# Altium PCB PCB1.PcbDoc
Units mm, origin at the board's own origin, x right, y up, seen from the top; angles counter-clockwise.
Board outline 51 x 87.16 mm, 2 copper layers (Top Layer, Bottom Layer); 191 components, 0 nets, 882 pads, 0 vias.
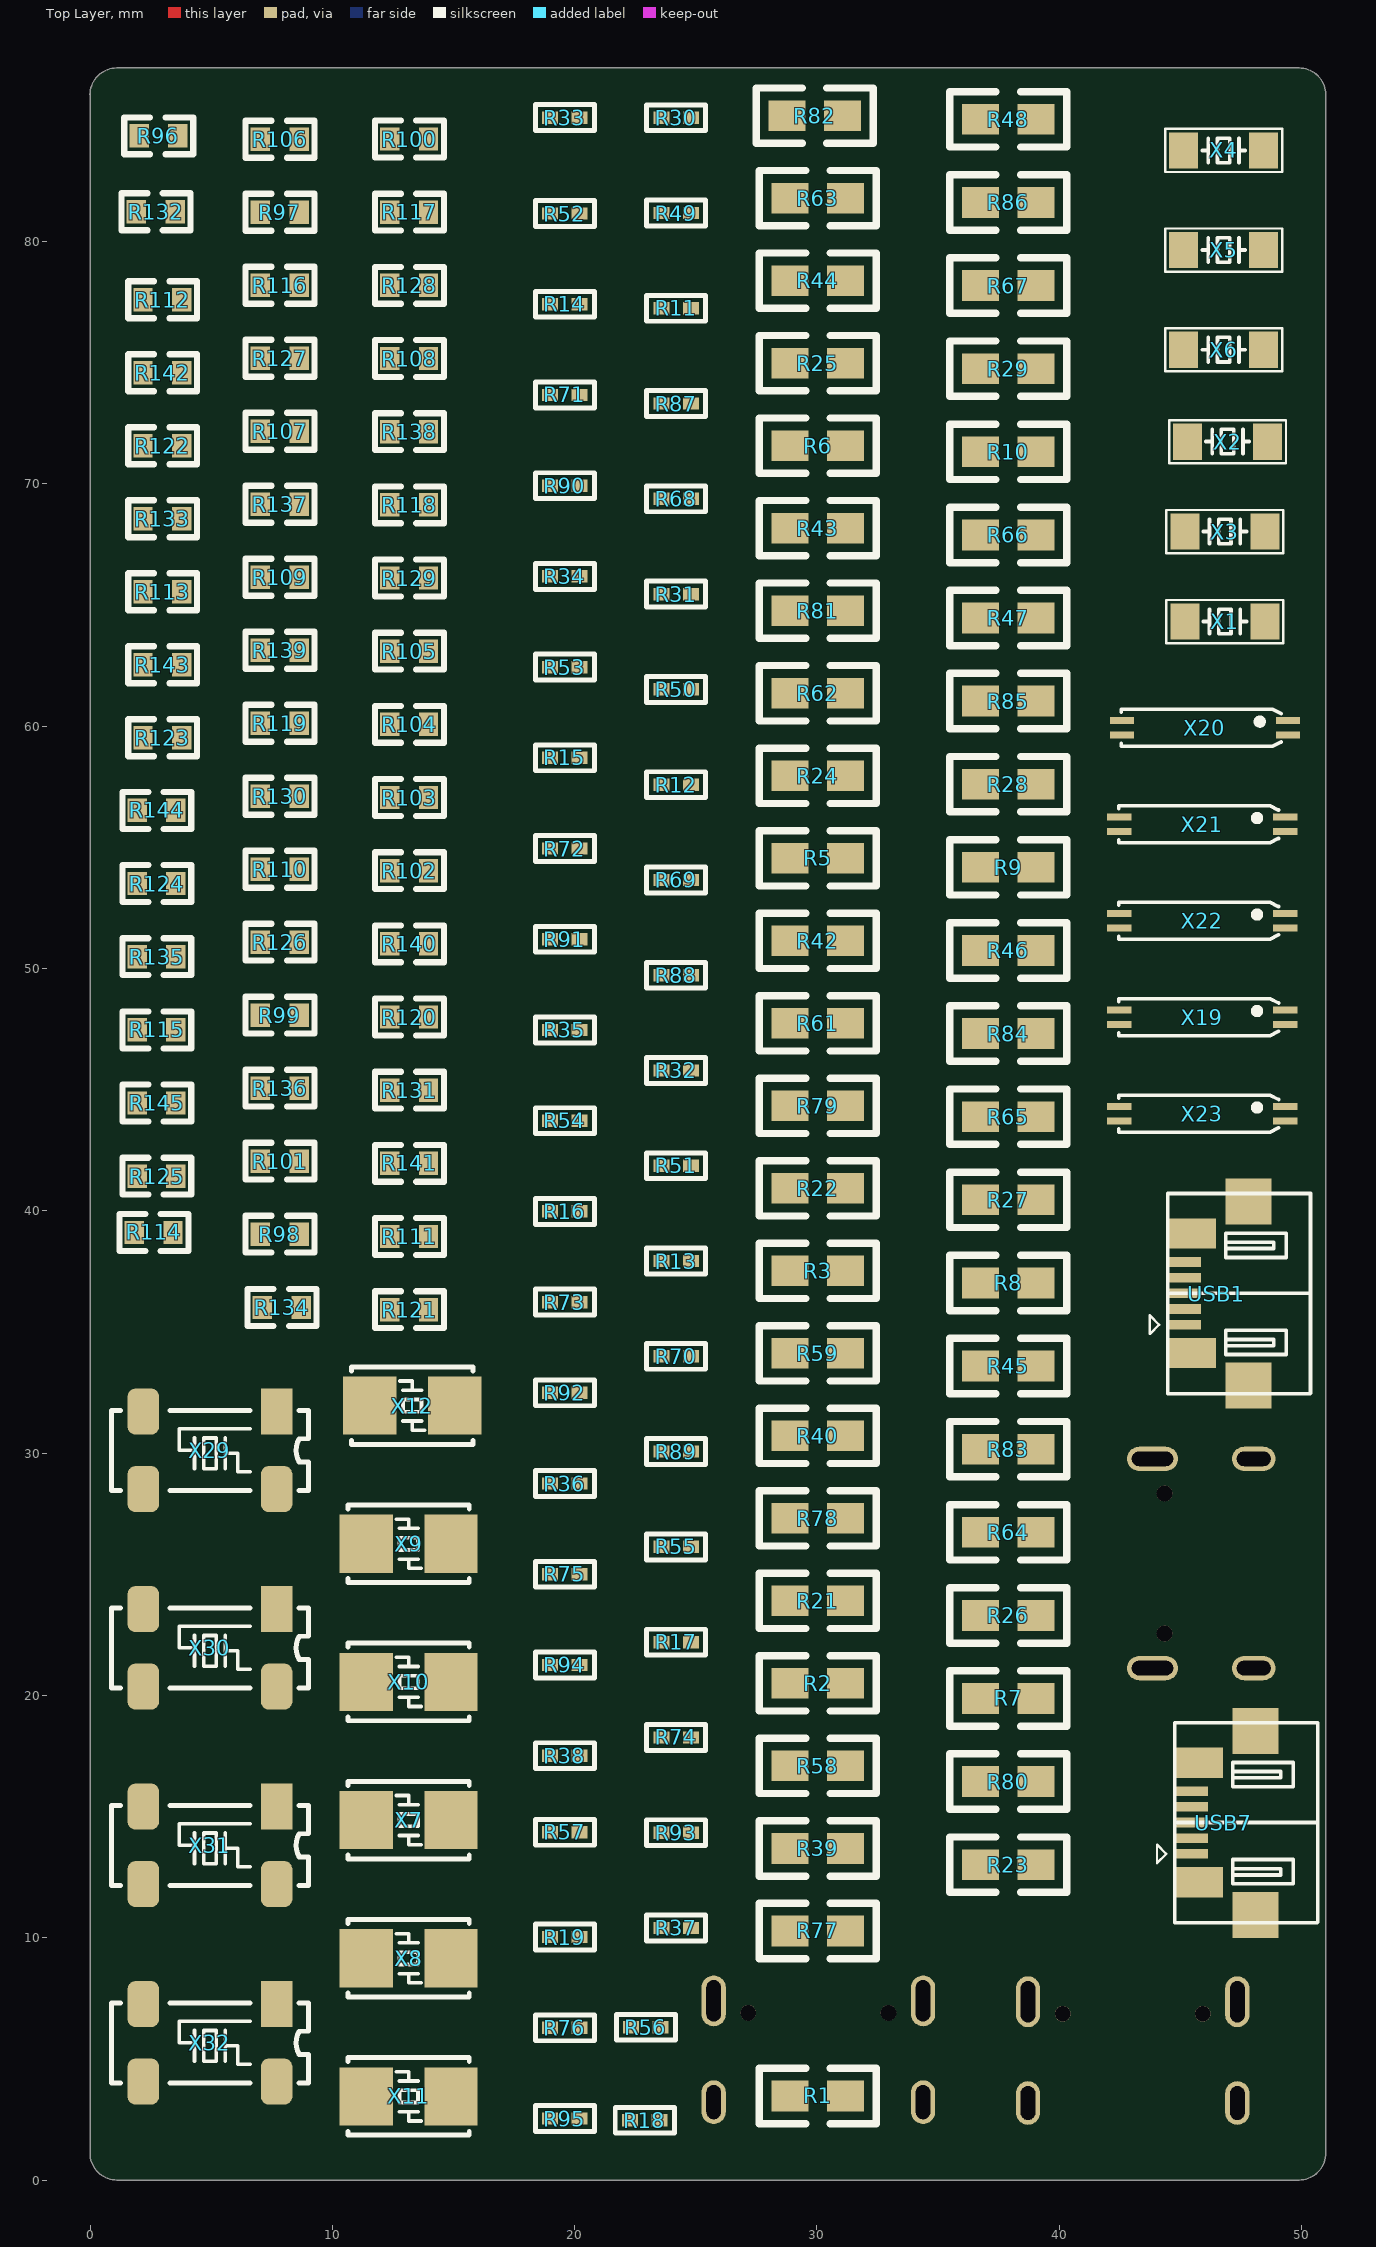
[diagram p0: Top Layer view]
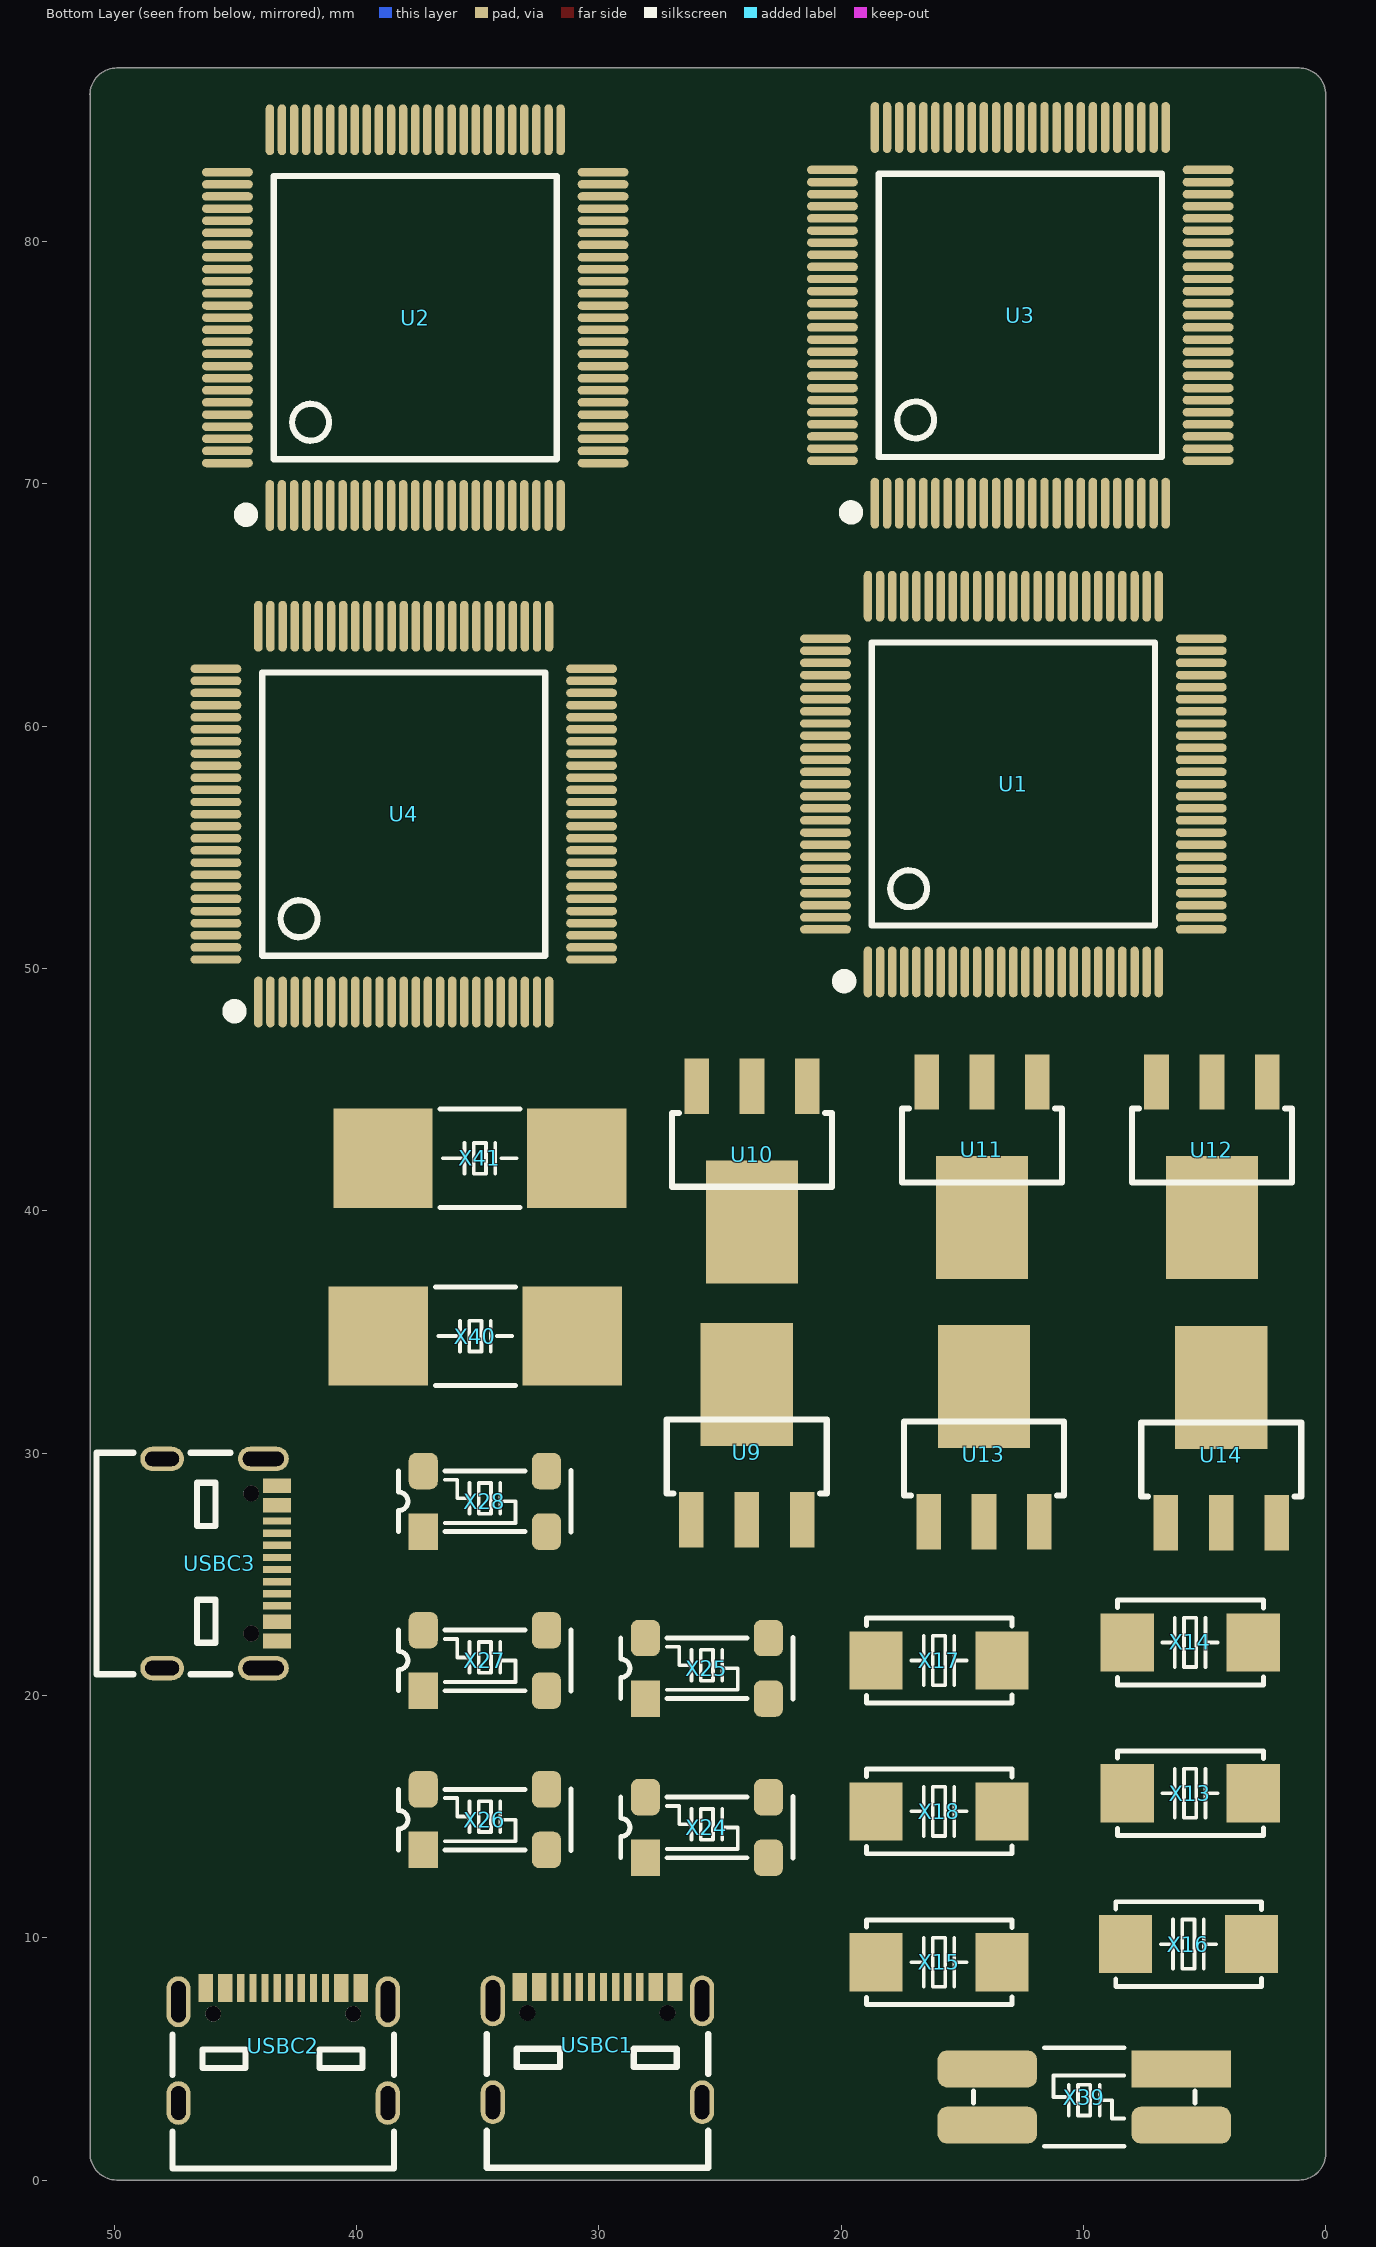
[diagram p1: Bottom Layer view, seen from below]

## Layer stack, top to bottom
Top Solder: solder mask 0.0102, Solder Resist, Dk 3.5
Top Layer: signal copper 0.0356
Dielectric 1: dielectric 0.32, FR-4, Dk 4.8
Bottom Layer: signal copper 0.0356
Bottom Solder: solder mask 0.0102, Solder Resist, Dk 3.5

## Board outline
0,1.1 0,86.1 -0.002,86.059 cw(c1.103,86.059) 1.098,87.164 49.904,87.164 49.898,87.164 cw(c49.898,86.059) 51.003,86.064 51,86.105 51,1.105 cw(c49.895,1.105) 49.9,0 1.105,0 cw(c1.105,1.105)

## Design rules (kind name [scope] priority, off if disabled: settings)
Clearance [All] p1: gap=0.1 ignorepadtopadclearanceinfootprint=FALSE
MinimumSolderMaskSliver [All] p1: minsoldermaskwidth=0.15
PolygonConnect [All] p1: connectstyle=Relief reliefconductorwidth=0.254 reliefentries=4 polygonreliefangle="90 Angle" airgapwidth=0.254
RoutingCorners [All] p1: cornerstyle=45-Degree minsetback=1.5 maxsetback=1.5
RoutingVias [All] p1: holewidth=0.203 width=0.254 viastyle="Through Hole" minholewidth=0.127 minwidth=0.229 maxholewidth=0.508 maxwidth=0.508
SilkToSilkClearance [All] p1: silktosilkclearance=0.05
SilkToSolderMaskClearance [IsPad] p1: minsilkscreentomaskgap=0.1 clearancetoexposedcopper=TRUE
SolderMaskExpansion [All] p1: expansion=0.102 istentingtop=FALSE
Width [All] p1: maxlimit=2 minlimit=0.2 preferedwidth=0.5
26 further rules are at their usual default settings.

## Components (designator, comment, footprint, x,y, rotation, side; value= is the part's Value field where it differs from the comment)
R1 "RES" 0805R 28.897,3.471 r0 top
R2 "RES" 0805R 28.897,20.497 r0 top
R3 "RES" 0805R 28.897,37.523 r0 top
R5 "RES" 0805R 28.897,54.549 r0 top
R6 "RES" 0805R 28.897,71.574 r0 top
R7 "RES" 0805R 36.748,19.872 r0 top
R8 "RES" 0805R 36.748,37.023 r0 top
R9 "RES" 0805R 36.748,54.174 r0 top
R10 "RES" 0805R 36.748,71.324 r0 top
R11 "RES" 0402R 24.799,77.246 r180 top
R12 "RES" 0402R 24.799,57.586 r180 top
R13 "RES" 0402R 24.799,37.926 r180 top
R14 "RES" 0402R 20.205,77.413 r180 top
R15 "RES" 0402R 20.205,58.694 r180 top
R16 "RES" 0402R 20.205,39.975 r180 top
R17 "RES" 0402R 24.799,22.198 r180 top
R18 "RES" 0402R 23.505,2.465 r180 top
R19 "RES" 0402R 20.205,10.025 r180 top
R21 "RES" 0805R 28.897,23.902 r0 top
R22 "RES" 0805R 28.897,40.928 r0 top
R23 "RES" 0805R 36.748,13.012 r0 top
R24 "RES" 0805R 28.897,57.954 r0 top
R25 "RES" 0805R 28.897,74.98 r0 top
R26 "RES" 0805R 36.748,23.302 r0 top
R27 "RES" 0805R 36.748,40.453 r0 top
R28 "RES" 0805R 36.748,57.604 r0 top
R29 "RES" 0805R 36.748,74.755 r0 top
R30 "RES" 0402R 24.799,85.11 r180 top
R31 "RES" 0402R 24.799,65.45 r180 top
R32 "RES" 0402R 24.799,45.79 r180 top
R33 "RES" 0402R 20.205,85.115 r180 top
R34 "RES" 0402R 20.205,66.181 r180 top
R35 "RES" 0402R 20.205,47.463 r180 top
R36 "RES" 0402R 20.205,28.744 r180 top
R37 "RES" 0402R 24.799,10.402 r180 top
R38 "RES" 0402R 20.205,17.513 r180 top
R39 "RES" 0805R 28.897,13.687 r0 top
R40 "RES" 0805R 28.897,30.713 r0 top
R42 "RES" 0805R 28.897,51.144 r0 top
R43 "RES" 0805R 28.897,68.169 r0 top
R44 "RES" 0805R 28.897,78.385 r0 top
R45 "RES" 0805R 36.748,33.593 r0 top
R46 "RES" 0805R 36.748,50.744 r0 top
R47 "RES" 0805R 36.748,64.464 r0 top
R48 "RES" 0805R 36.748,85.045 r0 top
R49 "RES" 0402R 24.799,81.178 r180 top
R50 "RES" 0402R 24.799,61.518 r180 top
R51 "RES" 0402R 24.799,41.858 r180 top
R52 "RES" 0402R 20.205,81.156 r180 top
R53 "RES" 0402R 20.205,62.438 r180 top
R54 "RES" 0402R 20.205,43.719 r180 top
R55 "RES" 0402R 24.799,26.13 r180 top
R56 "RES" 0402R 23.549,6.305 r180 top
R57 "RES" 0402R 20.205,14.35 r180 top
R58 "RES" 0805R 28.897,17.092 r0 top
R59 "RES" 0805R 28.897,34.118 r0 top
R61 "RES" 0805R 28.897,47.738 r0 top
R62 "RES" 0805R 28.897,61.359 r0 top
R63 "RES" 0805R 28.897,81.79 r0 top
R64 "RES" 0805R 36.748,26.733 r0 top
R65 "RES" 0805R 36.748,43.883 r0 top
R66 "RES" 0805R 36.748,67.894 r0 top
R67 "RES" 0805R 36.748,78.185 r0 top
R68 "RES" 0402R 24.799,69.382 r180 top
R69 "RES" 0402R 24.799,53.654 r180 top
R70 "RES" 0402R 24.799,33.994 r180 top
R71 "RES" 0402R 20.205,73.669 r180 top
R72 "RES" 0402R 20.205,54.95 r180 top
R73 "RES" 0402R 20.205,36.232 r180 top
R74 "RES" 0402R 24.799,18.266 r180 top
R75 "RES" 0402R 20.205,25 r180 top
R76 "RES" 0402R 20.205,6.282 r180 top
R77 "RES" 0805R 28.897,10.282 r0 top
R78 "RES" 0805R 28.897,27.307 r0 top
R79 "RES" 0805R 28.897,44.333 r0 top
R80 "RES" 0805R 36.748,16.442 r0 top
R81 "RES" 0805R 28.897,64.764 r0 top
R82 "RES" 0805R 28.76,85.195 r0 top
R83 "RES" 0805R 36.748,30.163 r0 top
R84 "RES" 0805R 36.748,47.313 r0 top
R85 "RES" 0805R 36.748,61.034 r0 top
R86 "RES" 0805R 36.748,81.615 r0 top
R87 "RES" 0402R 24.799,73.314 r180 top
R88 "RES" 0402R 24.799,49.722 r180 top
R89 "RES" 0402R 24.799,30.062 r180 top
R90 "RES" 0402R 20.205,69.925 r180 top
R91 "RES" 0402R 20.205,51.206 r180 top
R92 "RES" 0402R 20.205,32.488 r180 top
R93 "RES" 0402R 24.799,14.334 r180 top
R94 "RES" 0402R 20.205,21.257 r180 top
R95 "RES" 0402R 20.205,2.538 r180 top
R96 "RES" 0603R 3.625,84.365 r180 top
R97 "RES" 0603R 8.63,81.209 r180 top
R98 "RES" 0603R 8.63,39.035 r180 top
R99 "RES" 0603R 8.63,48.072 r180 top
R100 "RES" 0603R 13.97,84.233 r180 top
R101 "RES" 0603R 8.63,42.047 r180 top
R102 "RES" 0603R 13.97,54.037 r180 top
R103 "RES" 0603R 13.97,57.057 r180 top
R104 "RES" 0603R 13.97,60.076 r180 top
R105 "RES" 0603R 13.97,63.096 r180 top
R106 "RES" 0603R 8.63,84.222 r180 top
R107 "RES" 0603R 8.63,72.172 r180 top
R108 "RES" 0603R 13.97,75.174 r180 top
R109 "RES" 0603R 8.63,66.147 r180 top
R110 "RES" 0603R 8.63,54.097 r180 top
R111 "RES" 0603R 13.97,38.939 r180 top
R112 "RES" 0603R 3.785,77.597 r180 top
R113 "RES" 0603R 3.785,65.547 r180 top
R114 "RES" 0603R 3.425,39.105 r180 top
R115 "RES" 0603R 3.545,47.467 r180 top
R116 "RES" 0603R 8.63,78.197 r180 top
R117 "RES" 0603R 13.97,81.213 r180 top
R118 "RES" 0603R 13.97,69.135 r180 top
R119 "RES" 0603R 8.63,60.122 r180 top
R120 "RES" 0603R 13.97,47.998 r180 top
R121 "RES" 0603R 13.97,35.919 r180 top
R122 "RES" 0603R 3.785,71.572 r180 top
R123 "RES" 0603R 3.785,59.523 r180 top
R124 "RES" 0603R 3.545,53.506 r180 top
R125 "RES" 0603R 3.545,41.428 r180 top
R126 "RES" 0603R 8.63,51.085 r180 top
R127 "RES" 0603R 8.63,75.184 r180 top
R128 "RES" 0603R 13.97,78.194 r180 top
R129 "RES" 0603R 13.97,66.115 r180 top
R130 "RES" 0603R 8.63,57.11 r180 top
R131 "RES" 0603R 13.97,44.978 r180 top
R132 "RES" 0603R 3.51,81.23 r180 top
R133 "RES" 0603R 3.785,68.56 r180 top
R134 "RES" 0603R 8.715,36.01 r180 top
R135 "RES" 0603R 3.545,50.486 r180 top
R136 "RES" 0603R 8.63,45.06 r180 top
R137 "RES" 0603R 8.63,69.159 r180 top
R138 "RES" 0603R 13.97,72.155 r180 top
R139 "RES" 0603R 8.63,63.135 r180 top
R140 "RES" 0603R 13.97,51.017 r180 top
R141 "RES" 0603R 13.97,41.959 r180 top
R142 "RES" 0603R 3.785,74.585 r180 top
R143 "RES" 0603R 3.785,62.535 r180 top
R144 "RES" 0603R 3.545,56.526 r180 top
R145 "RES" 0603R 3.545,44.447 r180 top
U1 "STM32F407V" "LQFP100 14x14_M" 12.895,57.605 r180 bottom
U2 "STM32F407V" "LQFP100 14x14_M" 37.58,76.855 r180 bottom
U3 "STM32F407V" "LQFP100 14x14_M" 12.61,76.95 r180 bottom
U4 "STM32F407V" "LQFP100 14x14_M" 38.055,56.365 r180 bottom
U9 "AMS1117" SOT223 23.9,27.242 r180 bottom
U10 "AMS1117" SOT223 23.68,45.133 r0 bottom
U11 "AMS1117" SOT223 14.19,45.313 r0 bottom
U12 "AMS1117" SOT223 4.7,45.313 r0 bottom
U13 "AMS1117" SOT223 14.108,27.162 r180 bottom
U14 "AMS1117" SOT223 4.315,27.122 r180 bottom
USB1 "Micro-USB" USB-MICRO_A 45.14,35.3 r90 top
USB7 "Micro-USB" USB-MICRO_A 45.43,13.46 r90 top
USBC1 "MC-311D" USB-C-12P 30.06,5.588 r180 bottom
USBC2 "MC-311D" USB-C-12P 43.03,5.55 r180 bottom
USBC3 "MC-311D" USB-C-12P 45.655,25.445 r270 bottom
X1 "XTAL-2P" "OSC 3215-2P" 46.835,64.32 r180 top
X2 "XTAL-2P" "OSC 3215-2P" 46.945,71.745 r180 top
X3 "XTAL-2P" "OSC 3215-2P" 46.835,68.032 r180 top
X4 "XTAL-2P" "OSC 3215-2P" 46.785,83.76 r180 top
X5 "XTAL-2P" "OSC 3215-2P" 46.785,79.65 r180 top
X6 "XTAL-2P" "OSC 3215-2P" 46.785,75.54 r180 top
X7 "XTAL-2P" "OSC 5032-2P" 13.151,14.853 r180 top
X8 "XTAL-2P" "OSC 5032-2P" 13.151,9.151 r180 top
X9 "XTAL-2P" "OSC 5032-2P" 13.151,26.257 r180 top
X10 "XTAL-2P" "OSC 5032-2P" 13.151,20.555 r180 top
X11 "XTAL-2P" "OSC 5032-2P" 13.151,3.449 r180 top
X12 "XTAL-2P" "OSC 5032-2P" 13.298,31.959 r180 top
X13 "XTAL-2P" "OSC 6035-2P" 5.599,15.961 r180 bottom
X14 "XTAL-2P" "OSC 6035-2P" 5.599,22.187 r180 bottom
X15 "XTAL-2P" "OSC 6035-2P" 15.964,8.988 r180 bottom
X16 "XTAL-2P" "OSC 6035-2P" 5.67,9.735 r180 bottom
X17 "XTAL-2P" "OSC 6035-2P" 15.964,21.44 r180 bottom
X18 "XTAL-2P" "OSC 6035-2P" 15.964,15.214 r180 bottom
X19 "XTAL-MC-4P" "OSC MC-146" 45.879,47.989 r180 top
X20 "XTAL-MC-4P" "OSC MC-146" 45.99,59.935 r180 top
X21 "XTAL-MC-4P" "OSC MC-146" 45.879,55.953 r180 top
X22 "XTAL-MC-4P" "OSC MC-146" 45.879,51.971 r180 top
X23 "XTAL-MC-4P" "OSC MC-146" 45.879,44.007 r180 top
X24 "XTAL-MC-4P" "OSC MC-156" 25.544,14.55 r180 bottom
X25 "XTAL-MC-4P" "OSC MC-156" 25.544,21.117 r180 bottom
X26 "XTAL-MC-4P" "OSC MC-156" 34.709,14.874 r180 bottom
X27 "XTAL-MC-4P" "OSC MC-156" 34.709,21.44 r180 bottom
X28 "XTAL-MC-4P" "OSC MC-156" 34.709,28.007 r180 bottom
X29 "XTAL-MC-4P" "OSC MC-306" 4.949,30.115 r180 top
X30 "XTAL-MC-4P" "OSC MC-306" 4.949,21.964 r180 top
X31 "XTAL-MC-4P" "OSC MC-306" 4.949,13.813 r180 top
X32 "XTAL-MC-4P" "OSC MC-306" 4.949,5.662 r180 top
X39 "XTAL-MC-4P" "OSC MC-406" 9.97,3.425 r0 bottom
X40 "XTAL-MC-4P" "OSC MC-405" 35.1,34.83 r0 bottom
X41 "XTAL-MC-4P" "OSC MC-405" 34.91,42.165 r0 bottom (schematic designator X40)

## Footprints (in the part's own frame and the unit in brackets; to place one, negate y for a bottom-side part, rotate by r counter-clockwise, add the part's x,y. Pads: shape width x height; smd on the part's side, far side on the other; paste and mask are expansions set on the pad)
0402R [mil]
  rect 26x20 smd: 1(0,0) 2(48,0)
  silkscreen extent -24,-21 72,21, body extent 4,-10 43,10, height 13
0603R [mm]
  rect 0.8x0.965 smd: 1(0,0) 2(1.6,0)
  silkscreen extent -0.64,-0.76 2.21,0.76, body extent -0.04,-0.41 1.56,0.41, height 0.45
0805R [mil]
  rect 60x50 smd: 1(0,0) 2(90,0)
  silkscreen extent -50,-45 140,45, body extent 1,-25 80,25, height 15
"LQFP100 14x14_M" [mm] "100脚，体宽14x14mm，脚距0.5mm"
  oval 0.35x2.1 smd: 1(-6,-7.747) 2(-5.5,-7.747) 3(-5,-7.747) 4(-4.5,-7.747) 5(-4,-7.747) 6(-3.5,-7.747) 7(-3,-7.747) 8(-2.5,-7.747) 9(-2,-7.747) 10(-1.5,-7.747) 11(-1,-7.747) 12(-0.5,-7.747) 13(0,-7.747) 14(0.5,-7.747) 15(1,-7.747) 16(1.5,-7.747) 17(2,-7.747) 18(2.5,-7.747) 19(3,-7.747) 20(3.5,-7.747) 21(4,-7.747) 22(4.5,-7.747) 23(5,-7.747) 24(5.5,-7.747) 25(6,-7.747) 51(6,7.758) 52(5.5,7.758) 53(5,7.758) 54(4.5,7.758) 55(4,7.758) 56(3.5,7.758) 57(3,7.758) 58(2.5,7.758) 59(2,7.758) 60(1.5,7.758) 61(1,7.758) 62(0.5,7.758) 63(0,7.758) 64(-0.5,7.758) 65(-1,7.758) 66(-1.5,7.758) 67(-2,7.758) 68(-2.5,7.758) 69(-3,7.758) 70(-3.5,7.758) 71(-4,7.758) 72(-4.5,7.758) 73(-5,7.758) 74(-5.5,7.758) 75(-6,7.758)
  oval 2.1x0.35 smd: 26(7.752,-5.994) 27(7.752,-5.494) 28(7.752,-4.994) 29(7.752,-4.494) 30(7.752,-3.994) 31(7.752,-3.494) 32(7.752,-2.994) 33(7.752,-2.494) 34(7.752,-1.994) 35(7.752,-1.494) 36(7.752,-0.994) 37(7.752,-0.494) 38(7.752,0.006) 39(7.752,0.506) 40(7.752,1.006) 41(7.752,1.506) 42(7.752,2.006) 43(7.752,2.506) 44(7.752,3.006) 45(7.752,3.506) 46(7.752,4.006) 47(7.752,4.506) 48(7.752,5.006) 49(7.752,5.506) 50(7.752,6.006) 76(-7.752,6.006) 77(-7.752,5.506) 78(-7.752,5.006) 79(-7.752,4.506) 80(-7.752,4.006) 81(-7.752,3.506) 82(-7.752,3.006) 83(-7.752,2.506) 84(-7.752,2.006) 85(-7.752,1.506) 86(-7.752,1.006) 87(-7.752,0.506) 88(-7.752,0.006) 89(-7.752,-0.494) 90(-7.752,-0.994) 91(-7.752,-1.494) 92(-7.752,-1.994) 93(-7.752,-2.494) 94(-7.752,-2.994) 95(-7.752,-3.494) 96(-7.752,-3.994) 97(-7.752,-4.494) 98(-7.752,-4.994) 99(-7.752,-5.494) 100(-7.752,-5.994)
  silkscreen extent -7.23,-8.38 5.84,5.85, body extent -8,-8 8,8.01, height 1.45
"OSC 3215-2P" [mm]
  rect 1.2x1.5 smd: 1(-1.65,0) 2(1.65,0)
  silkscreen extent -2.41,-0.89 2.41,0.89, body extent -1.47,-0.76 1.73,0.74, height 0.61
"OSC 5032-2P" [mm]
  rect 2.2x2.4 smd: 1(-1.75,0) 2(1.75,0)
  silkscreen extent -2.5,-1.6 2.5,1.6, body extent -2.5,-1.52 2.5,1.68, height 0.86
"OSC 6035-2P" [mm]
  rect 2.2x2.4 smd: 1(-2.6,0) 2(2.6,0)
  silkscreen extent -3,-1.75 3.02,1.75, body extent -3,-1.65 3,1.85, height 1.06
"OSC MC-146" [mm]
  rect 1x0.3 smd: 1(-3.45,-0.3) 2(3.4,-0.3) 3(3.4,0.3) 4(-3.45,0.3)
  silkscreen extent -3.17,-0.76 3.43,0.76, body extent -3.32,-0.76 3.58,0.74, height 1.45
"OSC MC-156" [mm]
  rect 1.2x1.5 smd: 1(-2.54,-1.25)
  rrect50% 1.2x1.5 smd: 2(2.54,-1.25) 3(2.54,1.25) 4(-2.54,1.25)
  silkscreen extent -3.56,-1.27 3.56,1.27, body extent -3.55,-1.65 3.55,1.65, height 1.5
"OSC MC-306" [mm]
  rect 1.3x1.9 smd: 1(-2.75,-1.6)
  rrect50% 1.3x1.9 smd: 2(2.75,-1.6) 3(2.75,1.6) 4(-2.75,1.6)
  silkscreen extent -4.06,-1.65 4.06,1.65, body extent -4,-1.52 4,1.74, height 2.56
"OSC MC-405" [mm]
  rect 4.1x4.1 smd: 1(-4,0) 2(-4,0) 3(4,0) 4(4,0)
  silkscreen extent -1.65,-2.03 1.65,2.03, body extent -4.52,-2.03 5.78,2.03, height 3.4
"OSC MC-406" [mm]
  rect 4.1x1.52 smd: 1(-4,-1.16)
  rrect50% 4.1x1.52 smd: 2(4,-1.16) 3(4,1.16) 4(-4,1.16)
  silkscreen extent -4.57,-2.03 4.57,2.03, body extent -5.15,-2.03 5.15,2.03, height 3.4
SOT223 [mil]
  rect 40x90 smd: 1(-90,0) 2(0,0) 3(90,0)
  rect 150x200 smd: 2(0,220)
  silkscreen extent -130,43 130,163, body extent -130,-30 126,246, height 65
USB-C-12P [mm]
  oval 1x2.1 hole 0.6 slot 1.7 at 90 deg: 1(-4.32,1.807) 4(4.32,1.807)
  oval 1x1.8 hole 0.6 slot 1.4 at 90 deg: 2(-4.32,-2.373) 3(4.32,-2.373)
  rect 0.6x1.15 smd: A1-B12(-3.2,2.372) A4-B9(-2.4,2.372) B1-A12(3.2,2.372) B4-A9(2.4,2.372)
  rect 0.3x1.15 smd: A5(-1.25,2.372) A6(-0.25,2.372) A7(0.25,2.372) A8(1.25,2.372) B5(1.75,2.372) B6(0.75,2.372) B7(-0.75,2.372) B8(-1.75,2.372)
  round 0.65 hole 0.65 unplated: ""(-2.89,1.307) ""(2.89,1.307)
  silkscreen extent -4.57,-5.08 4.57,0.44, body extent -4.47,-4.95 4.47,2.8, height 3.31
USB-MICRO_A [mm]
  rect 1.9x1.9 smd: 0(-2.515,-2.667) 0(5.08,-2.667)
  rect 0.4x1.4 smd: 1(0,0) 2(0.648,0) 3(1.295,0) 4(1.943,0) 5(2.591,0)
  rect 1.25x2 smd: 5(-1.168,-0.33) 5(3.759,-0.33)
  silkscreen extent -2.84,-5.24 5.41,1.4, body extent -2.71,-5.08 5.25,0.34, height 2.69

## Part data
U1 U2 U3 U4: "STM32单片机100引脚"
U9 U10 U11 U12 U13 U14: "三端稳压芯片"
USBC1 USBC2 USBC3: library part USB-C-12P, BOM_JLCPCB Part Class="Extended Part", BOM_Manufacturer=SOFNG, BOM_Manufacturer Part=MC-311D, BOM_Supplier=LCSC, BOM_Supplier Part=C136423, Contributor=LCSC, spicePre=U, spiceSymbolName=MC-311D
X1 X2 X3 X4 X5 X6 X7 X8 X9 X10 X11 X12 X13 X14 X15 X16 X17 X18: "2脚无源脚晶振"
X19 X20 X21 X22 X23 X24 X25 X26 X27 X28 X29 X30 X31 X32 X39 X40 X41: "MC系列4脚晶振"

## Nets (pads, with @x,y where several pads share a name; then routed paths per layer and width w, separated by ;. In a path a pad name is that pad's centre, name@x,y a point inside that pad or via, vN(x,y) a via of type N, cw(c..) or ccw(c..) an arc to the next point about the centre after c; other vN are vias at no path point)
pads on no net: R1.1 R1.2 R2.1 R2.2 R3.1 R3.2 R5.1 R5.2 R6.1 R6.2 R7.1 R7.2 R8.1 R8.2 R9.1 R9.2 R10.1 R10.2 R11.1 R11.2 R12.1 R12.2 R13.1 R13.2 R14.1 R14.2 R15.1 R15.2 R16.1 R16.2 R17.1 R17.2 R18.1 R18.2 R19.1 R19.2 R21.1 R21.2 R22.1 R22.2 R23.1 R23.2 R24.1 R24.2 R25.1 R25.2 R26.1 R26.2 R27.1 R27.2 R28.1 R28.2 R29.1 R29.2 R30.1 R30.2 R31.1 R31.2 R32.1 R32.2 R33.1 R33.2 R34.1 R34.2 R35.1 R35.2 R36.1 R36.2 R37.1 R37.2 R38.1 R38.2 R39.1 R39.2 R40.1 R40.2 R42.1 R42.2 R43.1 R43.2 R44.1 R44.2 R45.1 R45.2 R46.1 R46.2 R47.1 R47.2 R48.1 R48.2 R49.1 R49.2 R50.1 R50.2 R51.1 R51.2 R52.1 R52.2 R53.1 R53.2 R54.1 R54.2 R55.1 R55.2 R56.1 R56.2 R57.1 R57.2 R58.1 R58.2 R59.1 R59.2 R61.1 R61.2 R62.1 R62.2 R63.1 R63.2 R64.1 R64.2 R65.1 R65.2 R66.1 R66.2 R67.1 R67.2 R68.1 R68.2 R69.1 R69.2 R70.1 R70.2 R71.1 R71.2 R72.1 R72.2 R73.1 R73.2 R74.1 R74.2 R75.1 R75.2 R76.1 R76.2 R77.1 R77.2 R78.1 R78.2 R79.1 R79.2 R80.1 R80.2 R81.1 R81.2 R82.1 R82.2 R83.1 R83.2 R84.1 R84.2 R85.1 R85.2 R86.1 R86.2 R87.1 R87.2 R88.1 R88.2 R89.1 R89.2 R90.1 R90.2 R91.1 R91.2 R92.1 R92.2 R93.1 R93.2 R94.1 R94.2 R95.1 R95.2 R96.1 R96.2 R97.1 R97.2 R98.1 R98.2 R99.1 R99.2 R100.1 R100.2 R101.1 R101.2 R102.1 R102.2 R103.1 R103.2 R104.1 R104.2 R105.1 R105.2 R106.1 R106.2 R107.1 R107.2 R108.1 R108.2 R109.1 R109.2 R110.1 R110.2 R111.1 R111.2 R112.1 R112.2 R113.1 R113.2 R114.1 R114.2 R115.1 R115.2 R116.1 R116.2 R117.1 R117.2 R118.1 R118.2 R119.1 R119.2 R120.1 R120.2 R121.1 R121.2 R122.1 R122.2 R123.1 R123.2 R124.1 R124.2 R125.1 R125.2 R126.1 R126.2 R127.1 R127.2 R128.1 R128.2 R129.1 R129.2 R130.1 R130.2 R131.1 R131.2 R132.1 R132.2 R133.1 R133.2 R134.1 R134.2 R135.1 R135.2 R136.1 R136.2 R137.1 R137.2 R138.1 R138.2 R139.1 R139.2 R140.1 R140.2 R141.1 R141.2 R142.1 R142.2 R143.1 R143.2 R144.1 R144.2 R145.1 R145.2 U1.1 U1.2 U1.3 U1.4 U1.5 U1.6 U1.7 U1.8 U1.9 U1.10 U1.11 U1.12 U1.13 U1.14 U1.15 U1.16 U1.17 U1.18 U1.19 U1.20 U1.21 U1.22 U1.23 U1.24 U1.25 U1.26 U1.27 U1.28 U1.29 U1.30 U1.31 U1.32 U1.33 U1.34 U1.35 U1.36 U1.37 U1.38 U1.39 U1.40 U1.41 U1.42 U1.43 U1.44 U1.45 U1.46 U1.47 U1.48 U1.49 U1.50 U1.51 U1.52 U1.53 U1.54 U1.55 U1.56 U1.57 U1.58 U1.59 U1.60 U1.61 U1.62 U1.63 U1.64 U1.65 U1.66 U1.67 U1.68 U1.69 U1.70 U1.71 U1.72 U1.73 U1.74 U1.75 U1.76 U1.77 U1.78 U1.79 U1.80 U1.81 U1.82 U1.83 U1.84 U1.85 U1.86 U1.87 U1.88 U1.89 U1.90 U1.91 U1.92 U1.93 U1.94 U1.95 U1.96 U1.97 U1.98 U1.99 U1.100 U2.1 U2.2 U2.3 U2.4 U2.5 U2.6 U2.7 U2.8 U2.9 U2.10 U2.11 U2.12 U2.13 U2.14 U2.15 U2.16 U2.17 U2.18 U2.19 U2.20 U2.21 U2.22 U2.23 U2.24 U2.25 U2.26 U2.27 U2.28 U2.29 U2.30 U2.31 U2.32 U2.33 U2.34 U2.35 U2.36 U2.37 U2.38 U2.39 U2.40 U2.41 U2.42 U2.43 U2.44 U2.45 U2.46 U2.47 U2.48 U2.49 U2.50 U2.51 U2.52 U2.53 U2.54 U2.55 U2.56 U2.57 U2.58 U2.59 U2.60 U2.61 U2.62 U2.63 U2.64 U2.65 U2.66 U2.67 U2.68 U2.69 U2.70 U2.71 U2.72 U2.73 U2.74 U2.75 U2.76 U2.77 U2.78 U2.79 U2.80 U2.81 U2.82 U2.83 U2.84 U2.85 U2.86 U2.87 U2.88 U2.89 U2.90 U2.91 U2.92 U2.93 U2.94 U2.95 U2.96 U2.97 U2.98 U2.99 U2.100 U3.1 U3.2 U3.3 U3.4 U3.5 U3.6 U3.7 U3.8 U3.9 U3.10 U3.11 U3.12 U3.13 U3.14 U3.15 U3.16 U3.17 U3.18 U3.19 U3.20 U3.21 U3.22 U3.23 U3.24 U3.25 U3.26 U3.27 U3.28 U3.29 U3.30 U3.31 U3.32 U3.33 U3.34 U3.35 U3.36 U3.37 U3.38 U3.39 U3.40 U3.41 U3.42 U3.43 U3.44 U3.45 U3.46 U3.47 U3.48 U3.49 U3.50 U3.51 U3.52 U3.53 U3.54 U3.55 U3.56 U3.57 U3.58 U3.59 U3.60 U3.61 U3.62 U3.63 U3.64 U3.65 U3.66 U3.67 U3.68 U3.69 U3.70 U3.71 U3.72 U3.73 U3.74 U3.75 U3.76 U3.77 U3.78 U3.79 U3.80 U3.81 U3.82 U3.83 U3.84 U3.85 U3.86 U3.87 U3.88 U3.89 U3.90 U3.91 U3.92 U3.93 U3.94 U3.95 U3.96 U3.97 U3.98 U3.99 U3.100 U4.1 U4.2 U4.3 U4.4 U4.5 U4.6 U4.7 U4.8 U4.9 U4.10 U4.11 U4.12 U4.13 U4.14 U4.15 U4.16 U4.17 U4.18 U4.19 U4.20 U4.21 U4.22 U4.23 U4.24 U4.25 U4.26 U4.27 U4.28 U4.29 U4.30 U4.31 U4.32 U4.33 U4.34 U4.35 U4.36 U4.37 U4.38 U4.39 U4.40 U4.41 U4.42 U4.43 U4.44 U4.45 U4.46 U4.47 U4.48 U4.49 U4.50 U4.51 U4.52 U4.53 U4.54 U4.55 U4.56 U4.57 U4.58 U4.59 U4.60 U4.61 U4.62 U4.63 U4.64 U4.65 U4.66 U4.67 U4.68 U4.69 U4.70 U4.71 U4.72 U4.73 U4.74 U4.75 U4.76 U4.77 U4.78 U4.79 U4.80 U4.81 U4.82 U4.83 U4.84 U4.85 U4.86 U4.87 U4.88 U4.89 U4.90 U4.91 U4.92 U4.93 U4.94 U4.95 U4.96 U4.97 U4.98 U4.99 U4.100 U9.1 U9.2 U9.3 U10.1 U10.2 U10.3 U11.1 U11.2 U11.3 U12.1 U12.2 U12.3 U13.1 U13.2 U13.3 U14.1 U14.2 U14.3 USB1.0 USB1.1 USB1.2 USB1.3 USB1.4 USB1.5 USB7.0 USB7.1 USB7.2 USB7.3 USB7.4 USB7.5 USBC1. USBC1.1 USBC1.2 USBC1.3 USBC1.4 USBC1.A1-B12 USBC1.A4-B9 USBC1.A5 USBC1.A6 USBC1.A7 USBC1.A8 USBC1.B1-A12 USBC1.B4-A9 USBC1.B5 USBC1.B6 USBC1.B7 USBC1.B8 USBC2. USBC2.1 USBC2.2 USBC2.3 USBC2.4 USBC2.A1-B12 USBC2.A4-B9 USBC2.A5 USBC2.A6 USBC2.A7 USBC2.A8 USBC2.B1-A12 USBC2.B4-A9 USBC2.B5 USBC2.B6 USBC2.B7 USBC2.B8 USBC3. USBC3.1 USBC3.2 USBC3.3 USBC3.4 USBC3.A1-B12 USBC3.A4-B9 USBC3.A5 USBC3.A6 USBC3.A7 USBC3.A8 USBC3.B1-A12 USBC3.B4-A9 USBC3.B5 USBC3.B6 USBC3.B7 USBC3.B8 X1.1 X1.2 X2.1 X2.2 X3.1 X3.2 X4.1 X4.2 X5.1 X5.2 X6.1 X6.2 X7.1 X7.2 X8.1 X8.2 X9.1 X9.2 X10.1 X10.2 X11.1 X11.2 X12.1 X12.2 X13.1 X13.2 X14.1 X14.2 X15.1 X15.2 X16.1 X16.2 X17.1 X17.2 X18.1 X18.2 X19.1 X19.2 X19.3 X19.4 X20.1 X20.2 X20.3 X20.4 X21.1 X21.2 X21.3 X21.4 X22.1 X22.2 X22.3 X22.4 X23.1 X23.2 X23.3 X23.4 X24.1 X24.2 X24.3 X24.4 X25.1 X25.2 X25.3 X25.4 X26.1 X26.2 X26.3 X26.4 X27.1 X27.2 X27.3 X27.4 X28.1 X28.2 X28.3 X28.4 X29.1 X29.2 X29.3 X29.4 X30.1 X30.2 X30.3 X30.4 X31.1 X31.2 X31.3 X31.4 X32.1 X32.2 X32.3 X32.4 X39.1 X39.2 X39.3 X39.4 X40.1 X40.2 X40.3 X40.4 X41.1 X41.2 X41.3 X41.4

## Silkscreen, mask and mechanical layers (free items; w line width, h text height)
Mechanical 1:
  lines w0.2: 1.098,87.164 ccw(c1.103,86.059) -0.002,86.059 0,86.1 0,1.1 ccw(c1.105,1.105) 1.105,0 ; 1.098,87.164 49.904,87.164 49.898,87.164 cw(c49.898,86.059) 51.003,86.064 51,86.105 51,1.105 ; 1.098,87.164 1.098,87.164 ; 1.105,0 1.105,0 ; 1.105,0 49.9,0 ccw(c49.895,1.105) 51,1.105 ; 51,1.105 51,1.105